# Altium PCB ST1-1-BASIS.PcbDoc (part 4 of 7)
Units mm, origin at the board's own origin, x right, y up, seen from the top; angles counter-clockwise.
Board outline 88 x 170 mm, 6 copper layers (Top Layer, Mid 1, Mid 2 (GND), Mid 3 (PWR), Mid 4, Bottom Layer), stack 1.55 mm thick; 633 components, 333 nets, 1767 pads, 930 vias.
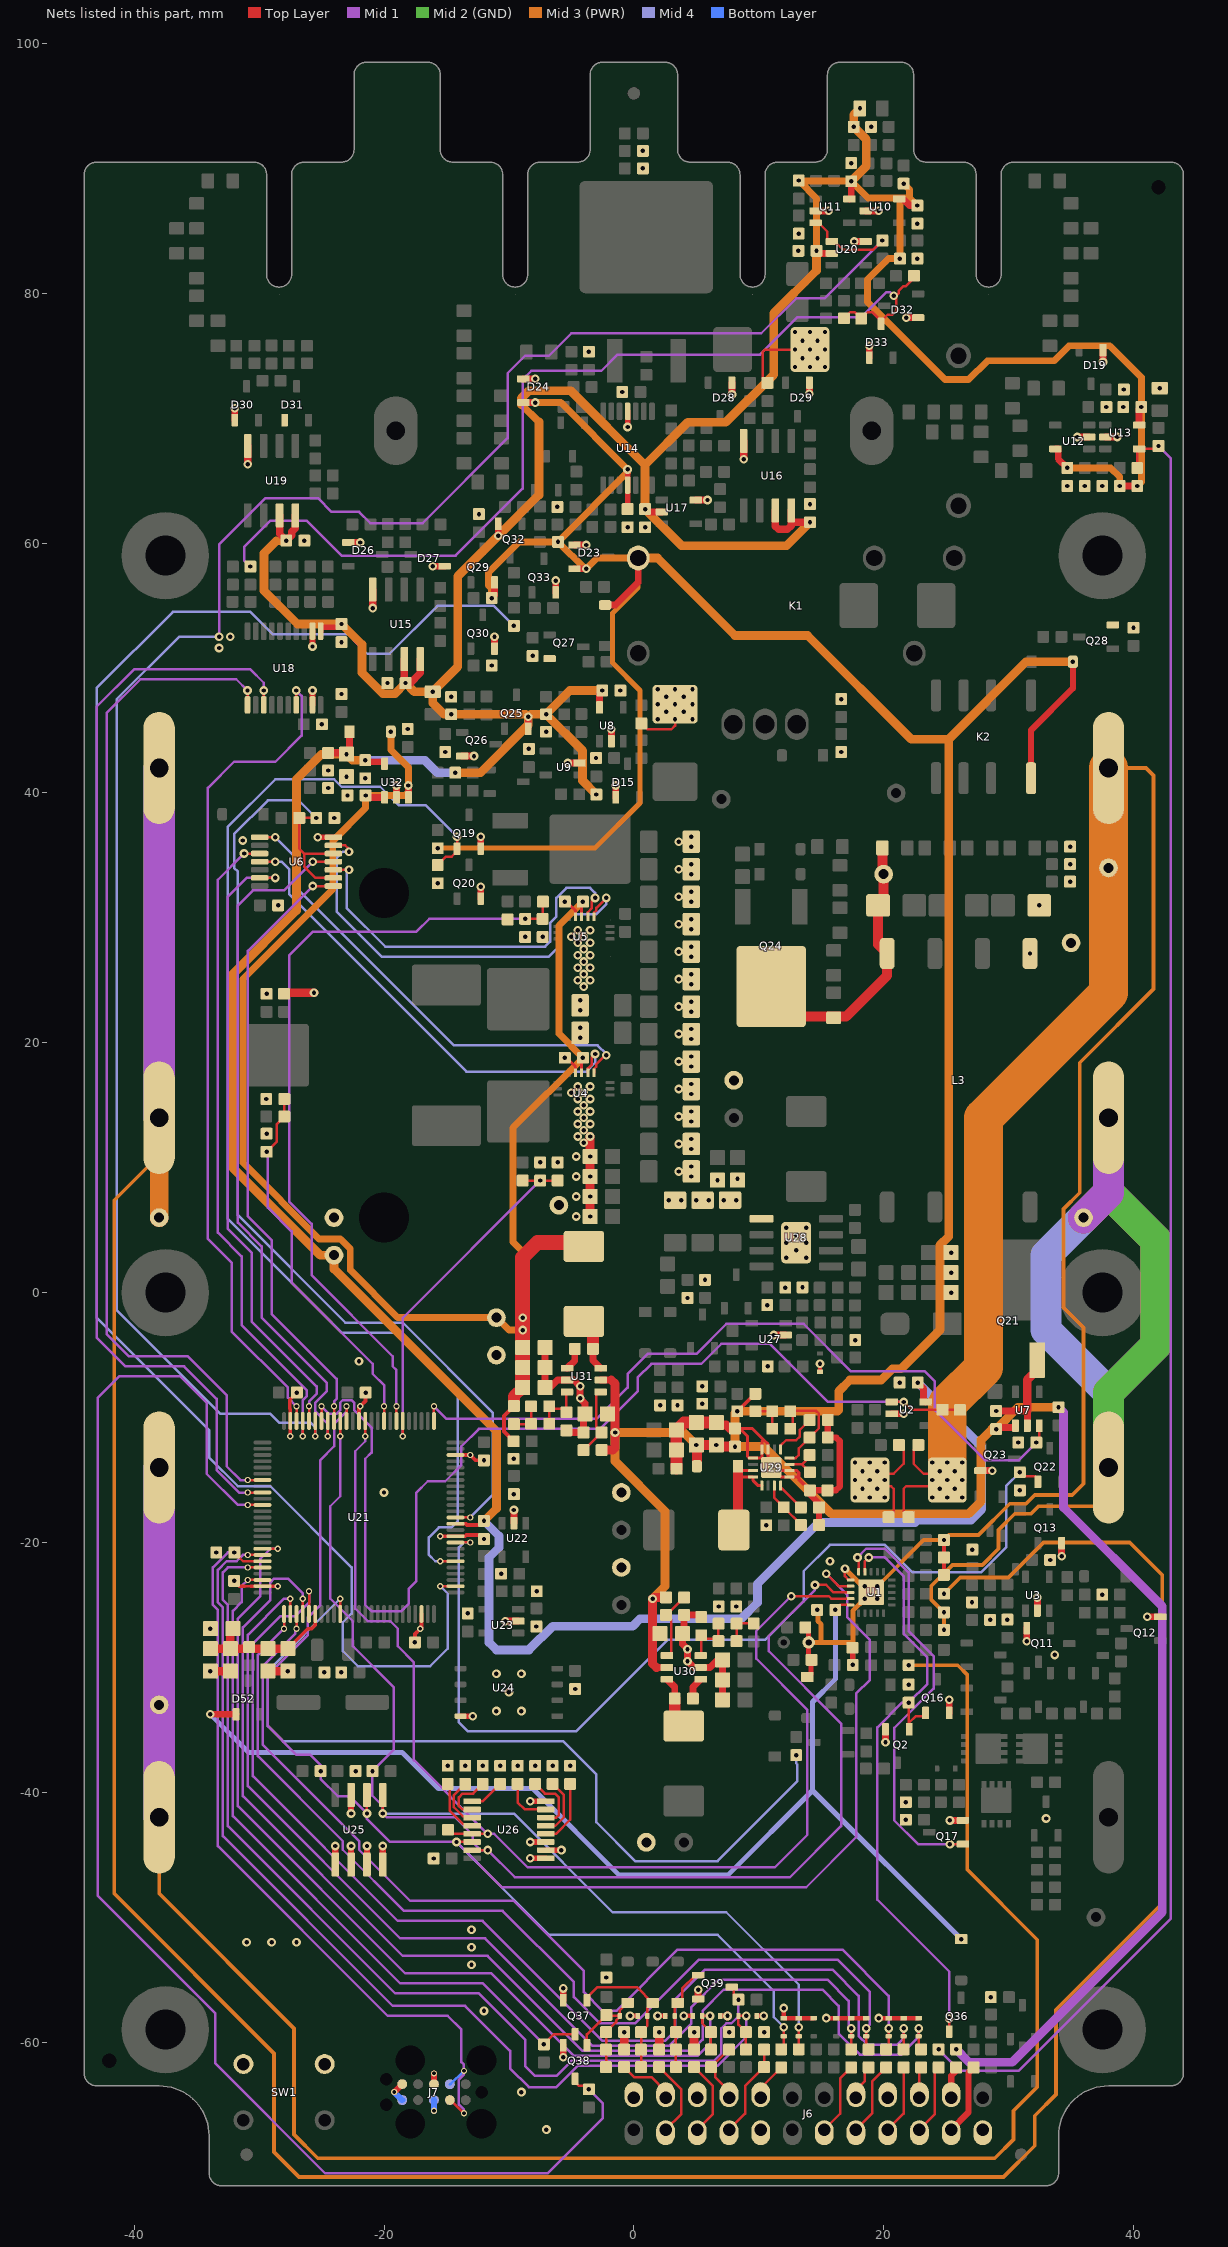
[diagram p8: the nets of this part, all layers, seen from the top]

## Via types
v1: diameter 0.7, hole 0.35, Top Layer to Bottom Layer, tented both sides, 808 vias
v2: diameter 0.5, hole 0.3, Top Layer to Bottom Layer, tented both sides, 94 vias
v3: diameter 0.7, hole 0.35, Top Layer to Bottom Layer, 28 vias

## Nets (pads, with @x,y where several pads share a name; then routed paths per layer and width w, separated by ;. In a path a pad name is that pad's centre, name@x,y a point inside that pad or via, vN(x,y) a via of type N, cw(c..) or ccw(c..) an arc to the next point about the centre after c; other vN are vias at no path point) (continued)
+3V3_A: C13.1 C53.1 C56.1 C57.1 C58.1 C59.1 C72.1 C73.1 C75.1 C76.1 C78.1 C84.1 C102.1 C148.1 C149.1 D12.2 D17.2 D58.2 Q25.2 Q32.2 R80.1 R84.1 R85.1 R86.2 R97.1 R98.2 R99.2 R100.2 R117.1 R118.1 R289.1 TP10.1 U2.5 U8.5 U10.5 U11.5 U12.5 U13.5 U15.7 U15.8 U16.7 U16.8 U17.2 U18.1 U19.7 U19.8 U20.2 U21.37 U32.5 | length 408.8
  Top Layer w0.3: U21.37@-14.275,-18.5 -13.444,-18.5 -13.35,-18.594 -12.319,-18.594 v1(-12,-18.275)
  Top Layer w0.45: U18.1@-25.075,52.95 -25.075,53.275 -23.65,53.275 v1(-23.4,53.525)
  Top Layer w0.55: v1(-23,43.1) -22.75,43.35 D58.2@-22.75,44.9 ; v1(-21.5,42.625) -21.375,42.5 -20,42.5 -19.95,42.45 U32.5@-19.95,42.35 ; v1(-10.85,60.6) Q32.2@-10.85,61.55 ; Q25.2@-8.45,45.15 v1(-8.45,46.1) ; U8.5@-2.75,46.85 -2.75,47.975 v1(-2.525,48.2) ; v1(0.9,62.725) 1.125,62.5 U17.2@2.25,62.5 ; v1(14.625,83.4) 14.825,83.2 U20.2@15.85,83.2 ; U11.5@17.25,87.55 17.4,87.7 v1(17.4,88.975) ; U10.5@21.25,87.55 21.55,87.55 22.075,87.025 v1(22.7,87.025) ; v1(22.725,-7.2) 23.2,-7.675 23.2,-8.6 U2.5@23.35,-8.75 ; U12.5@33.75,67.55 33.975,67.55 33.975,66.75 v1(34.7,66.025) ; v1(38.9,64.575) v1(40.3,64.575) ; U13.5@40.45,69.45 40.45,70.725 v1(40.625,70.9)
  Top Layer w0.6: U19.7@-28.365,62.22 -28.365,60.74 v1(-27.825,60.2) -27.4,60.625 -27.4,60.9 -27.095,61.205 U19.8@-27.095,62.22 ; R289.1@-24.475,43.2 -23.1,43.2 v1(-23,43.1) ; U15.7@-18.365,50.72 -18.365,48.89 v1(-18.275,48.8) -17.9,48.8 -17.095,49.605 U15.8@-17.095,50.72 ; U16.7@11.335,62.62 11.335,61.35 11.585,61.1 12.3,61.1 12.605,61.405 U16.8@12.605,61.675 ; U16.8@12.605,62.62 U16.8@12.605,61.675 ; v1(14.1,61.675) U16.8@12.605,61.675
  Mid 3 (PWR) w0.55: v1(13.2,89.025) v1@13.25,88.975 ; v1(14.625,83.4) 14.625,87.6 v1@13.25,88.975 ; v1(21.6,88.775) 22.059,88.316 22.059,87.625 ; v1@22.659,87.025 22.059,87.625 ; v1(34.7,66.025) 38.177,66.025 38.9,65.302 v1(38.9,64.575) ; v1(40.3,64.575) 40.625,64.9 v1(40.625,70.9) 40.625,73.275 38.1,75.8 34.825,75.8 33.625,74.6 28.3,74.6 26.8,73.1 24.9,73.1 18.7,79.3 18.7,81.1 20.375,82.775 v1(21.3,82.775) 21.3,87.625 ; v1@13.25,88.975 v1(17.4,88.975) 18.75,87.625 21.3,87.625 ; 21.3,87.625 22.059,87.625
  Mid 3 (PWR) w0.6: -9,71.1 -7.6,69.7
  Mid 3 (PWR) w0.7: v1(-27.825,60.2) -28.6,60.2 -29.6,59.2 -29.6,56.2 -26.925,53.525 v1(-23.4,53.525) -21.755,51.88 -21.755,49.628 -20.077,47.95 -19.125,47.95 v1(-18.275,48.8) -17.575,48.1 v1(-16.1,48.1) ; v1(-21.5,42.625) -22.525,42.625 v1(-23,43.1) -25,43.1 -27,41.1 -27,30.6 -32.1,25.5 -32.1,10 -25.1,3 TP10.1@-24,3 -24,1.9 -11,-11.1 -11,-17.275 v1(-12,-18.275) ; v1(-14.3,41.625) -12.275,41.625 -8.45,45.45 v1(-8.45,46.1) ; -9,71.1 -9,71.6 -8.4,72.2 -5.04,72.2 0.9,66.26 ; -7.6,69.7 -7.6,63.85 v1(-10.85,60.6) -14.1,57.35 -14.1,50.1 v1(-16.1,48.1) ; v1(-3,39.875) -4.1,40.975 -4.1,43.375 v1(-7.025,46.3) ; v1(-2.525,48.2) -5.125,48.2 v1(-7.025,46.3) ; v1(14.1,61.675) 12.225,59.8 3.825,59.8 v1(0.9,62.725) 0.9,66.26 ; v1(14.625,83.4) 14.625,81.825 11.192,78.392 11.192,73.492 7.368,69.668 4.308,69.668 0.9,66.26 ; v1(17.4,88.975) 18.6,90.175 18.6,92.325 v1(17.6,93.325) 17.6,94.3 v1(18.1,94.8) ; v1(-16.1,48.1) -16.1,47.2 -15.2,46.3 v1(-14.625,46.3) -8.65,46.3 v1(-8.45,46.1) ; v1(-8.45,46.1) -8.25,46.3 v1(-7.025,46.3)
  Mid 4 w0.7: v1(-21.5,42.625) -16.725,42.625 -15.725,41.625 v1(-14.3,41.625) ; v1(-12,-18.275) -10.8,-19.475 -10.8,-20.4 -11.6,-21.2 -11.6,-28 -11,-28.6 -8.4,-28.6 -6.5,-26.7 -0.1,-26.7 0.5,-26.1 8.6,-26.1 9.9,-24.8 9.9,-23.3 14.8,-18.4 22.5,-18.4 22.7,-18.2 27,-18.2 27.85,-17.35 27.85,-12.325 v1(22.725,-7.2)
+3V3_CB: C133.2 U30.1@5.35,-30.95 | length 1.8
  Top Layer w0.55: C133.2@4.725,-32.5 4.725,-31.575 U30.1@5.35,-30.95
+3V3_EN: R275.2 R277.1 U30.4 | length 5.7
  Top Layer w0.2: R277.1@2.625,-25.8 R277.1@2.6,-25.8 ; U30.4@2.65,-29.05 2.85,-29.05 3,-28.9 3,-26.225 R277.1@2.575,-25.8 R277.1@2.6,-25.8 ; R275.2@4.025,-24.4 4,-24.4 R277.1@2.6,-25.8
+3V3_FB: C138.2 R278.2 R280.1 U30.3 | length 4.6
  Top Layer w0.2: U30.3@5.35,-29.05 5.4,-29 R280.1@5.4,-27.425 5.675,-27.7 6.575,-27.7 C138.2@6.775,-27.9 R278.2@6.775,-26.5
+3V3_GAIN_MEAS: C138.1 R276.2 R278.1 | length 2.8
  Top Layer w0.2: C138.1@8.225,-27.9 R278.1@8.225,-26.5 8.25,-26.475 R276.2@9.6,-26.475
+3V3_RTC: C92.1 C93.1 C94.1 C95.1 C96.1 R235.2 U21.6 | length 11.8
  Top Layer w0.3: C92.1@-27.7,-28.5 -26.1,-26.9 -25.8,-26.9 -25.5,-26.6 U21.6@-25.5,-25.725
  Top Layer w0.7: C95.1@-33.9,-28.5 C94.1@-32.3,-28.5 ; C96.1@-32.1,-26.9 -32.3,-27.1 C94.1@-32.3,-28.5 ; C92.1@-27.7,-28.5 C93.1@-29.3,-28.5 -30.675,-28.5 R235.2@-30.8,-28.375 -30.925,-28.5 C94.1@-32.3,-28.5
+3V3_STBY: C6.1 D34.2 D52.1@-31.85,-33.75 U1.15 | length 91.8
  Top Layer w0.2: v1(16.125,-25.4) 16.525,-25 U1.15@17.35,-25
  Top Layer w0.55: v1(-33.9,-33.75) D52.1@-31.85,-33.75
  Mid 4 w0.4: v1(-33.9,-33.75) -30.85,-36.8 -18.556,-36.8 -15.656,-39.7 -8.1,-39.7 -1.2,-46.6 7.55,-46.6 14.3,-39.85 ; v1(16.125,-25.4) 16.125,-30.948 14.3,-32.773 14.3,-39.85 ; v1(26.2,-51.75) 14.3,-39.85
+3V3_STBY_UI: J6.21 R208.2 | length 5.7
  Top Layer w0.5: J6.21@25.4,-67 26.79,-65.61 26.79,-62.435 R208.2@27.2,-62.025
+3V3_SW: C133.1 L6.1 U30.6 | length 4.3
  Top Layer w0.55: U30.6@2.65,-30.95 3.275,-31.575 C133.1@3.275,-32.5
  Top Layer w0.95: C133.1@3.275,-32.5 3.275,-33.975 L6.1@4,-34.7
+5V: C37.1 C38.1 C142.1 C143.1 C144.1 C147.1 D58.1 L7.2 R283.1 R286.1 TP4.1 U4.14 U5.14 U32.1@-19.95,39.65 U32.3 | length 136.1
  Top Layer w0.25: U4.14@-4.175,17.6 -4.175,18.7 v1(-4.075,18.8) ; U5.14@-4.175,30.1 -4.175,31.2 v1(-4.075,31.3)
  Top Layer w0.3: R286.1@-9.625,-11.9 -10.4,-11.125 -10.4,-9.875 R283.1@-9.6,-9.075
  Top Layer w0.55: v1(-21.475,39.8) -21.325,39.65 U32.1@-19.95,39.65 ; U32.3@-18.05,39.65 v1(-18.05,40.6)
  Top Layer w0.95: R283.1@-9.6,-9.075 -9.6,-8.3 C144.1@-8.9,-7.6
  Top Layer w1.2: C144.1@-8.9,-7.6 C143.1@-8.9,-6 C142.1@-8.9,-4.4 -8.9,-1.996 -8.9,2.825 -7.725,4 -4.3,4 L7.2@-4,3.7
  Mid 3 (PWR) w0.55: v1(-19.45,44.9) -19.45,43.45 -18.05,42.05 v1(-18.05,40.6) -18.05,40.081 -18.331,39.8 v1(-21.475,39.8) -21.475,38.8 -24.1,36.175 -24.1,32.3 -31.3,25.1 -31.3,10.4 -25.2,4.3 -23.5,4.3 -22.7,3.5 -22.7,1.8 -18.9,-2 TP4.1@-11,-2 -10,-3 v1(-8.9,-3) v1(-8.9,-2) -8.9,3.281 -9.675,4.056 -9.675,13.2 v1(-4.075,18.8) -6,20.725 -6,29.375 v1(-4.075,31.3)
+5V_CB: C140.2 U31.1@-5.35,-6.05 | length 1.8
  Top Layer w0.55: U31.1@-5.35,-6.05 -4.725,-5.425 C140.2@-4.725,-4.5
+5V_EN: R282.2 R284.1 U31.4 | length 5.7
  Top Layer w0.2: R282.2@-4.025,-12.6 -4,-12.6 R284.1@-2.6,-11.2 ; U31.4@-2.65,-7.95 -2.85,-7.95 -3,-8.1 -3,-10.775 R284.1@-2.575,-11.2 R284.1@-2.6,-11.2 ; R284.1@-2.625,-11.2 R284.1@-2.6,-11.2
+5V_FB: C145.2 R285.2 R287.1 U31.3 | length 4.6
  Top Layer w0.2: R285.2@-6.775,-10.5 C145.2@-6.775,-9.1 -6.575,-9.3 -5.675,-9.3 R287.1@-5.4,-9.575 -5.4,-8 U31.3@-5.35,-7.95
+5V_GAIN_MEAS: C145.1 R283.2 R285.1 | length 2.8
  Top Layer w0.2: R283.2@-9.6,-10.525 -8.25,-10.525 R285.1@-8.225,-10.5 C145.1@-8.225,-9.1
+5V_SW: C140.1 L7.1 U31.6 | length 4.3
  Top Layer w0.55: C140.1@-3.275,-4.5 -3.275,-5.425 U31.6@-2.65,-6.05
  Top Layer w0.95: L7.1@-4,-2.3 -3.275,-3.025 C140.1@-3.275,-4.5
+15V: C50.1 C68.1 C125.1 C126.1 C127.1 C134.1 C141.1 D18.1 D20.1 D23.2 D24.2 D57.1 K1.2 K2.2 Q29.2 R57.1 R67.1 R136.1 R148.1 R206.2 R266.1 R270.1 R275.1 R282.1 TP1.1 U7.1@30.55,-10.65 U14.4 U30.5 U31.5 | length 360
  Top Layer w0.3: v1(8.275,-9.5) 8.3,-9.5 9.7,-8.1 R270.1@9.725,-8.1
  Top Layer w0.45: C68.1@-0.5,62.725 U14.4@-0.5,64.65 v1(-0.5,65.9)
  Top Layer w0.5: K2.2@31.8,41.18 31.8,45.039 35.15,48.389 v1(35.15,50.5)
  Top Layer w0.55: v1(-11.375,55.6) -11.15,55.825 Q29.2@-11.15,56.85 ; D24.2@-8.85,71.25 v1(-7.9,71.25) ; D23.2@-4.75,57.95 v1(-3.8,57.95) ; U31.5@-2.65,-6.99 -1.81,-6.99 ; D18.1@-2.3,55.05 -1.45,55.05 0.35,56.85 K1.2@0.35,58.81 ; 1.81,-30.01 U30.5@2.65,-30.01 ; v1(29,-10.925) 29.125,-10.8 30.4,-10.8 U7.1@30.55,-10.65
  Top Layer w0.7: R282.1@-2.575,-12.6 -1.7,-12.6 -1.5,-12.4 v1(-1.5,-11.2) C141.1@-1.5,-9.7 ; C141.1@-2.1,-9.7 C141.1@-1.5,-9.7 ; -1.81,-6.99 -1.5,-7.3 C141.1@-1.5,-9.7 ; 1.81,-30.01 1.5,-29.7 C134.1@1.5,-27.3 ; C134.1@2.1,-27.3 C134.1@1.5,-27.3 ; R275.1@2.575,-24.4 1.6,-24.4 v1(1.5,-24.5) C134.1@1.5,-27.3
  Top Layer w0.8: D57.1@5.05,-13.9 5.05,-12.25 v1(5,-12.2) v1(6.6,-12.2) 6.725,-12.325 v1(8.1,-12.325)
  Mid 1 w0.7: v1(25.8,-60.575) 26.825,-61.6 30.3,-61.6 42.3,-49.6 42.3,-25.1 34.4,-17.2 34.4,-9.575 v1(34,-9.175)
  Mid 3 (PWR) w0.4: v1(-15.7,35.575) -3.125,35.575 0.5,39.2 0.5,48.2 -1.7,50.4 -1.7,54.4 0.35,56.45 K1.2@0.35,58.81
  Mid 3 (PWR) w0.55: v1(-11.375,55.6) -11.404,55.629 -11.404,56.379 -11.625,56.6 -11.625,57.65 -9.175,60.1 v1(-6.075,60.1) ; v1(-7.9,71.25) -5.85,71.25 v1(-0.5,65.9) -0.5,65.675 v1(-6.075,60.1) ; K1.2@0.35,58.81 -2.94,58.81 v1(-3.8,57.95) -3.925,57.95 v1(-6.075,60.1)
  Mid 3 (PWR) w0.7: K1.2@0.35,58.81 1.89,58.81 8.1,52.6 13.9,52.6 22.2,44.3 25.2,44.3 ; v1(1.5,-24.5) 2.5,-23.5 2.5,-17.5 -1.5,-13.5 v1(-1.5,-11.2) 4,-11.2 v1(5,-12.2) v1(6.6,-12.2) 6.725,-12.325 v1(8.1,-12.325) ; v1(34,-9.175) 30.75,-9.175 v1(29,-10.925) 28.675,-10.925 27.8,-11.8 27.8,-16.7 26.8,-17.7 15.8,-17.7 10.425,-12.325 v1(8.1,-12.325) ; v1(35.15,50.5) 31.4,50.5 25.2,44.3 ; v1(8.1,-12.325) 8.1,-9.675 v1(8.275,-9.5) 16.3,-9.5 16.4,-9.4 16.4,-7.9 17.3,-7 19.802,-7 20.7,-6.101 21.399,-6.101 24.5,-3 24.5,3.8 25.2,4.5 25.2,44.3
+15V_COMP: C130.1 R273.1 U29.7 | length 2.9
  Top Layer w0.2: U29.7@12.45,-13.75 13.475,-13.75 ; R273.1@14.075,-13 14.075,-13.15 13.475,-13.75 ; C130.1@14.1,-14.375 13.475,-13.75
+15V_EN: R267.2 R269.1 U29.3 | length 4
  Top Layer w0.2: U29.3@11.25,-15.45 11.25,-16.425 R267.2@12,-17.175 12,-17.2 13.375,-18.575 R269.1@13.375,-18.6
+15V_FB: C128.2 R268.2 R271.1 U29.8 | length 9.2
  Top Layer w0.2: U29.8@12.45,-13.25 12.95,-13.25 13.2,-13 13.2,-12.475 R271.1@14.075,-11.6 14.8,-10.875 14.8,-10.526 14.8,-9.677 14.598,-9.475 C128.2@12.725,-9.475 ; C128.2@12.525,-9.5 12.725,-9.5 R268.2@12.725,-10.5 ; R268.2@12.725,-10.5 12.725,-10.7 R268.2@12.525,-10.9 12.525,-10.7 R268.2@12.725,-10.5
+15V_FREQ: R274.1 U29.9 | length 3.8
  Top Layer w0.2: U29.9@11.75,-12.55 11.75,-12.25 12.2,-11.8 13,-11.8 13.3,-11.5 13.3,-10.975 R274.1@14.075,-10.2
+15V_GAIN_MEAS: C128.1 R266.2 R268.1 | length 2.8
  Top Layer w0.2: R266.2@9.725,-9.5 C128.1@11.075,-9.5 R268.1@11.075,-10.9
+15V_SS: C132.1 U29.4 | length 2.4
  Top Layer w0.2: U29.4@11.75,-15.45 11.75,-15.575 C132.1@13.375,-17.2
+15V_SW: D57.2 L5.2 U29.1 U29.15 U29.16 | length 8.8
  Top Layer w0.25: 8.35,-14.75 U29.16@9.55,-14.75 9.55,-15.05 9.95,-15.45 U29.1@10.25,-15.45 ; D57.2@8.35,-14.25 U29.15@9.55,-14.25
  Top Layer w0.8: L5.2@8,-19 8.35,-18.65 8.35,-14.25 D57.2@8.35,-13.9
+15V_UI: J6.22 R206.1 | length 2.6
  Top Layer w0.5: J6.22@25.4,-64.46 25.4,-62.7 25.8,-62.3 R206.1@25.8,-62.025
+HV: L3.8 Q24.3 R60.1 R61.1 R75.2 TP19.1 | length 23.4
  Top Layer w0.8: Q24.3@11,24.5 13.4,22.1 R75.2@16,22.1 ; 15,22.1 17,22.1 20.285,25.385 L3.8@20.285,27.15 19.55,27.885 R60.1@19.55,31 20,31.45 TP19.1@20,33.5 19.9,33.6 R61.1@19.9,35.6
ADC.CLK: U18.17 U21.73 | length 67.8
  Top Layer w0.2: U18.17@-27.025,47.05 v1(-27.025,48.2) ; U21.73@-27,-10.275 v2(-27,-9.1)
  Mid 1 w0.2: v1(-27.025,48.2) -26.6,47.775 -26.6,44.6 -28.7,42.5 -32,42.5 -34.1,40.4 -34.1,4.3 -32.2,2.4 -32.2,-3.1 -27.7,-7.6 -27.7,-8.4 v2(-27,-9.1)
ADC.D\R\D\Y\: U18.13 U21.84 | length 89.1
  Top Layer w0.2: v2(-30.9,-16) U21.84@-29.725,-16 ; U18.13@-29.625,47.05 v1(-29.625,48.2)
  Mid 1 w0.2: v2(-30.9,-16) -31.6,-16 -33.4,-14.2 -33.4,-8.5 -36,-5.9 -40.7,-5.9 -43,-3.6 -43,46.9 -40,49.9 -30.7,49.9 -29.625,48.825 v1(-29.625,48.2)
ADC.S\Y\N\C\/R\E\S\E\T\: U18.11 U21.82 | length 84.3
  Top Layer w0.2: U18.11@-30.925,47.05 v1(-30.925,48.2) ; v2(-30.9,-15) U21.82@-29.725,-15
  Mid 1 w0.2: v1(-30.925,48.2) -31.825,49.1 -39.5,49.1 -42.2,46.4 -42.2,-3.3 -40.4,-5.1 -35.7,-5.1 -32.6,-8.2 -32.6,-13.9 -31.5,-15 v2(-30.9,-15)
BAT-: BAT4.2 C1.2 C4.2 C6.2 C8.2 C9.2 C11.2 D4.2 R10.1 R13.2 R14.1 R15.2 R16.2 R19.1 TP18.1 U1.11 U1.EP@19,-24 | length 181.4
  Top Layer w0.2: v1(16.9,-22.1) 16.9,-22.7 17.2,-23 U1.11@17.35,-23 ; R13.2@22,-17.975 21.6,-17.575 21.6,-15.7 21.8,-15.5 24.6,-15.5 v1(25.1,-15) 24.6,-14.5 23.2,-14.5 22.4,-13.7 22.4,-12.575 R19.1@22.775,-12.2
  Top Layer w0.3: C8.2@24.825,-22.6 R10.1@24.825,-21.2 v1(24.825,-19.8)
  Top Layer w0.4: C11.2@13.725,-26.8 14,-27.075 R15.2@14,-28 14,-29.175 R16.2@14.225,-29.4 14.2,-29.425 14.2,-30.55 14,-30.75 D4.2@13.9,-30.75 ; C1.2@17.5,-28.425 17.5,-29.775 v1(17.525,-29.8)
  Mid 3 (PWR) w0.3: v1(19.5,-23.5) 23.2,-19.8 v1(24.825,-19.8) 25.225,-19.4 27.6,-19.4 30.1,-16.9 31.4,-16.9 32.1,-16.2 35.1,-16.2 36,-15.3 36,-2.8 34.4,-1.2 34.4,6.7 35.7,8 35.7,18.4 41.6,24.3 41.6,41.4 41,42 BAT4.2@38,42
  Mid 3 (PWR) w0.4: R15.2@14,-28 15,-28 ; v1(14.675,-25.4) 14.732,-25.457 14.732,-26.282 15,-26.55 15,-28 ; v1(16.9,-22.1) 18.3,-23.5 v1(18.5,-23.5) ; v1(17.525,-29.8) 17.525,-28 ; v1(18.5,-24.5) 17.525,-25.475 17.525,-28 ; 15,-28 17.525,-28
  Mid 3 (PWR) w3.1: v1(25.1,-15) v1(25.1,-13.6) 25.1,-8.9 28,-6 28,14 38,24 TP18.1@38,34 BAT4.2@38,42
  other v1: 19.5,-24.5 23.9,-16.4 25.1,-16.4 26.3,-16.4 24.5,-15.7 25.7,-15.7 23.9,-15 26.3,-15 24.5,-14.3 25.7,-14.3 23.9,-13.6 26.3,-13.6
BMS_CTRL.I_BAT: C14.2 R20.2 U2.1@20.65,-8.75 U21.69 | length 88.1
  Top Layer w0.2: U21.69@-25,-10.275 v2(-25,-9.1) ; U2.1@20.65,-8.75 v1(21.6,-8.75) ; v1@21.595,-8.75 22.22,-9.375 C14.2@24.7,-9.375 R20.2@26.1,-9.375
  Mid 1 w0.2: v2(-25,-9.1) -24.4,-9.7 -23.8,-9.7 -23.5,-9.4 -23.5,-8.8 -23.3,-8.6 -22.6,-8.6 -22.4,-8.8 -22.4,-9.4 -21,-10.8 -21,-12.8 -21.5,-13.3 -21.5,-25 -21,-25.5 -18.6,-25.5 -18,-24.9 -18,-23.7 -17.4,-23.1 -17.4,-16 -16.5,-15.1 -15.1,-15.1 -13.8,-13.8 -13.8,-12.3 -12.4,-10.9 -2.7,-10.9 0.3,-7.9 0.3,-6.8 1.4,-5.7 5.4,-5.7 7,-4.1 10.9,-4.1 15.55,-8.75 v1(21.6,-8.75)
BMS_CTRL.WAKEUP: R21.2 U21.10 | length 67.7
  Top Layer w0.2: U21.10@-23.5,-25.725 v2(-23.5,-24.5)
  Mid 4 w0.2: v2(-23.5,-24.5) -29.3,-30.3 -29.3,-34.7 -28.1,-35.9 -5.686,-35.9 -3,-38.586 -3,-42.4 0.1,-45.5 6.7,-45.5 13.1,-39.1 13.1,-37.775 13,-37.675 v1(13,-37.025)
BMS_ON_OFF.CHG: Q17.1@26.35,-44.15 U1.10 | length 34.6
  Top Layer w0.2: v1(17.9,-21.2) 18,-21.3 U1.10@18,-22.35 ; v1(25.3,-44.15) Q17.1@26.35,-44.15
  Mid 1 w0.2: v1(17.9,-21.2) 18.6,-20.5 20.1,-20.5 22,-22.4 22,-27.1 24,-29.1 24,-31.7 20.85,-34.85 20.85,-42.25 22.75,-44.15 v1(25.3,-44.15)
BMS_ON_OFF.DSG: Q2.1@22.05,-34.95 Q16.1@23.35,-33.65 Q36.1@25.25,-59.15 R12.1 U1.9 | length 50
  Top Layer w0.2: U1.9@18.5,-22.35 18.5,-21.5 v1(18.8,-21.2) ; v1(22,-32.825) 22,-34.375 22.05,-34.425 ; Q2.1@22.05,-34.95 22.05,-34.425 ; Q16.1@23.35,-33.65 23.1,-33.9 22.575,-33.9 22.05,-34.425 ; Q36.1@25.25,-59.15 v1(25.25,-58.1)
  Mid 1 w0.2: v1(18.8,-21.2) 20.1,-21.2 21.6,-22.7 21.6,-27.3 23.5,-29.2 23.5,-31.325 v1(22,-32.825) 21.475,-32.825 19.5,-34.8 19.5,-48.6 25.25,-54.35 v1(25.25,-58.1)
BOOT0: J7.9 R233.1 U21.95 | length 63.1
  Top Layer w0.2: v1(-31.975,-20.8) -31.275,-21.5 U21.95@-29.725,-21.5 ; J7.9@-14.73,-64.635 -14.665,-64.635 v2(-13.6,-65.7)
  Mid 1 w0.2: v1(-31.975,-20.8) -32.5,-20.8 -33.7,-22 -33.7,-25 -33.3,-25.4 -33.3,-44.3 -19.7,-57.9 -14.9,-57.9 -13.8,-59 -13.8,-61.6 -13.6,-61.8 v2(-13.6,-62.3) -13.6,-62.6 -14,-63 -14,-65 -13.6,-65.4 v2(-13.6,-65.7)
  Bottom Layer w0.2: J7.9@-14.73,-63.365 -14.665,-63.365 v2(-13.6,-62.3)
BTN_ESC: J6.4 R226.1 | length 4.6
  Top Layer w0.2: R226.1@-0.775,-62 0.025,-62.8 1.4,-62.8 2.54,-63.94 J6.4@2.54,-64.46
BTN_ESC_f: C88.1 D47.2 D50.1 Q38.1@-3.75,-60.25 R226.2 R228.1 R231.1 | length 10
  Top Layer w0.2: Q38.1@-3.75,-60.25 -3.75,-59.375 R228.1@-2.2,-57.825 -2.125,-57.9 D50.1@-1.125,-57.9 ; R226.2@-2.225,-62 R231.1@-2.225,-60.6 C88.1@-2.225,-59.2 -1.425,-58.4 -1.425,-58.275 -1.125,-57.975 D50.1@-1.125,-57.9 ; D47.2@-0.5,-56.85 -1.125,-57.475 D50.1@-1.125,-57.9
BTN_OK: J6.3 R225.1 | length 6.3
  Top Layer w0.2: R225.1@2.025,-62 3.8,-63.775 3.8,-65.74 J6.3@2.54,-67
BTN_OK_f: C87.1 D46.2 D49.1 Q37.1@-3.75,-56.65 R225.2 R230.1 | length 11.9
  Top Layer w0.2: Q37.1@-3.75,-56.65 -3.75,-56.425 -2.925,-55.6 0.25,-55.6 D46.2@1.5,-56.85 1.075,-57.275 D49.1@1.075,-57.9 1.075,-58.7 C87.1@0.575,-59.2 R230.1@0.575,-60.6 R225.2@0.575,-62
BTN_OUT: J6.5 R227.1 | length 6.1
  Top Layer w0.2: R227.1@4.825,-62 6.3,-63.475 6.3,-65.78 J6.5@5.08,-67
BTN_OUT_f: C89.1 D48.2 D51.1 Q39.1@5.15,-54.65 R227.2 R232.1 | length 8.3
  Top Layer w0.2: R227.2@3.375,-62 R232.1@3.375,-60.6 C89.1@3.375,-59.2 3.275,-59.1 D51.1@3.275,-57.9 3.275,-57.075 3.475,-56.875 3.535,-56.875 3.86,-56.55 3.86,-55.715 4.925,-54.65 Q39.1@5.15,-54.65
BUTTON.ESC: Q38.3 R223.2 U21.86 | length 119.5
  Top Layer w0.2: v2(-30.9,-17) U21.86@-29.725,-17 ; Q38.3@-4.7,-62.95 -4.7,-63.175 -4.38,-63.495 -3.88,-63.495 v1(-3.6,-63.775)
  Mid 1 w0.2: v2(-30.9,-17) -31.7,-17 -34.2,-14.5 -34.2,-8.8 -36.3,-6.7 -41.2,-6.7 -42.9,-8.4 -42.9,-48.3 -33.5,-57.7 -33.5,-61.7 -24.7,-70.5 -6.9,-70.5 -2.5,-66.1 -2.5,-64.875 v1(-3.6,-63.775)
BUTTON.OK: Q37.3 R222.2 U21.98 | length 55.9
  Top Layer w0.2: v2(-30.9,-23) U21.98@-29.725,-23 ; v1(-7.2,-60.175) -6.375,-59.35 Q37.3@-4.7,-59.35
  Mid 1 w0.2: v2(-30.9,-23) -31.4,-23.5 -31.4,-24.774 -32.1,-25.474 -32.1,-41.9 -18.7,-55.3 -12.075,-55.3 v1(-7.2,-60.175)
BUTTON.OUT: Q39.3 R224.2 U21.96 | length 79.9
  Top Layer w0.2: v2(-30.9,-22) U21.96@-29.725,-22 ; Q39.3@7.85,-55.6 8,-55.75 8,-56.225 v1(8.375,-56.6)
  Mid 1 w0.2: v2(-30.9,-22) -32.5,-22 -32.9,-22.4 -32.9,-24.6 -32.5,-25 -32.5,-42.7 -19.1,-56.1 -12.4,-56.1 -8.7,-59.8 -8.7,-61.9 -7.9,-62.7 -6.2,-62.7 -5,-61.5 6.4,-61.5 7,-60.9 7,-58.9 7.4,-58.5 7.8,-58.5 8.375,-57.925 v1(8.375,-56.6)
C1: BAT3.2 BAT4.1 R9.1 TP17.1 | length 339.5
  Mid 1 w2.5: BAT3.2@-38,14 BAT4.1@-38,42
  Mid 2 (GND) w2.5: BAT3.2@-38,14 BAT4.1@-38,42
  Mid 3 (PWR) w0.3: BAT3.2@-38,11 -41.6,7.4 -41.6,-48.1 -28.8,-60.9 -28.8,-68.8 -26.8,-70.8 29.6,-70.8 32.1,-68.3 32.1,-65.9 33.8,-64.2 33.8,-57.4 42.3,-48.9 42.3,-22.6 39.7,-20 32.8,-20 30,-22.8 26.125,-22.8 v1(24.825,-24.1)
  Mid 3 (PWR) w1.5: TP17.1@-38,6 -38,11 BAT3.2@-38,14
  Mid 3 (PWR) w2.5: BAT3.2@-38,14 BAT4.1@-38,42
  Mid 4 w2.5: BAT3.2@-38,14 BAT4.1@-38,42
C2: BAT2.2 BAT3.1 R7.1 R8.1 TP16.1 | length 149.6
  Mid 1 w2.5: TP16.1@36,6 38,8 BAT3.1@38,14
  Mid 2 (GND) w2.5: TP16.1@36,6 38,8 ; BAT2.2@38,-14 38,-8 41.8,-4.2 41.8,4.2 38,8 ; BAT3.1@38,14 38,8
  Mid 3 (PWR) w0.3: v1(24.825,-27) v1(24.825,-25.6) 23.8,-24.575 23.8,-23.5 25.5,-21.8 27.9,-21.8 29.2,-20.5 29.2,-19 30.5,-17.7 31.8,-17.7 32.4,-17.1 37.4,-17.1 38,-16.5 BAT2.2@38,-14
  Mid 3 (PWR) w2.5: BAT2.2@38,-14 38,-8 41.8,-4.2 41.8,4.2 38,8 BAT3.1@38,14
  Mid 4 w2.5: BAT2.2@38,-14 38,-8 ; BAT3.1@38,14 38,8 ; 38,-8 41.8,-4.2 41.8,4.2 38,8 ; 38,-8 33,-3 33,3 TP16.1@36,6 38,8
C4: BAT1.2 BAT2.1 R5.1 TP15.1 | length 246.2
  Mid 1 w2.5: BAT1.2@-38,-42 TP15.1@-38,-33 BAT2.1@-38,-14
  Mid 2 (GND) w2.5: BAT1.2@-38,-42 TP15.1@-38,-33 BAT2.1@-38,-14
  Mid 3 (PWR) w0.3: BAT1.2@-38,-42 -38,-48.1 -27.2,-58.9 -27.2,-67.4 -25.3,-69.3 28.9,-69.3 30.4,-67.8 30.4,-65.5 32.3,-63.6 32.3,-51.8 26.7,-46.2 26.7,-30.6 25.925,-29.825 v1(22,-29.825)